# Altium PCB STC8H8K64U流水灯.PcbDoc (part 1 of 2) (continued)
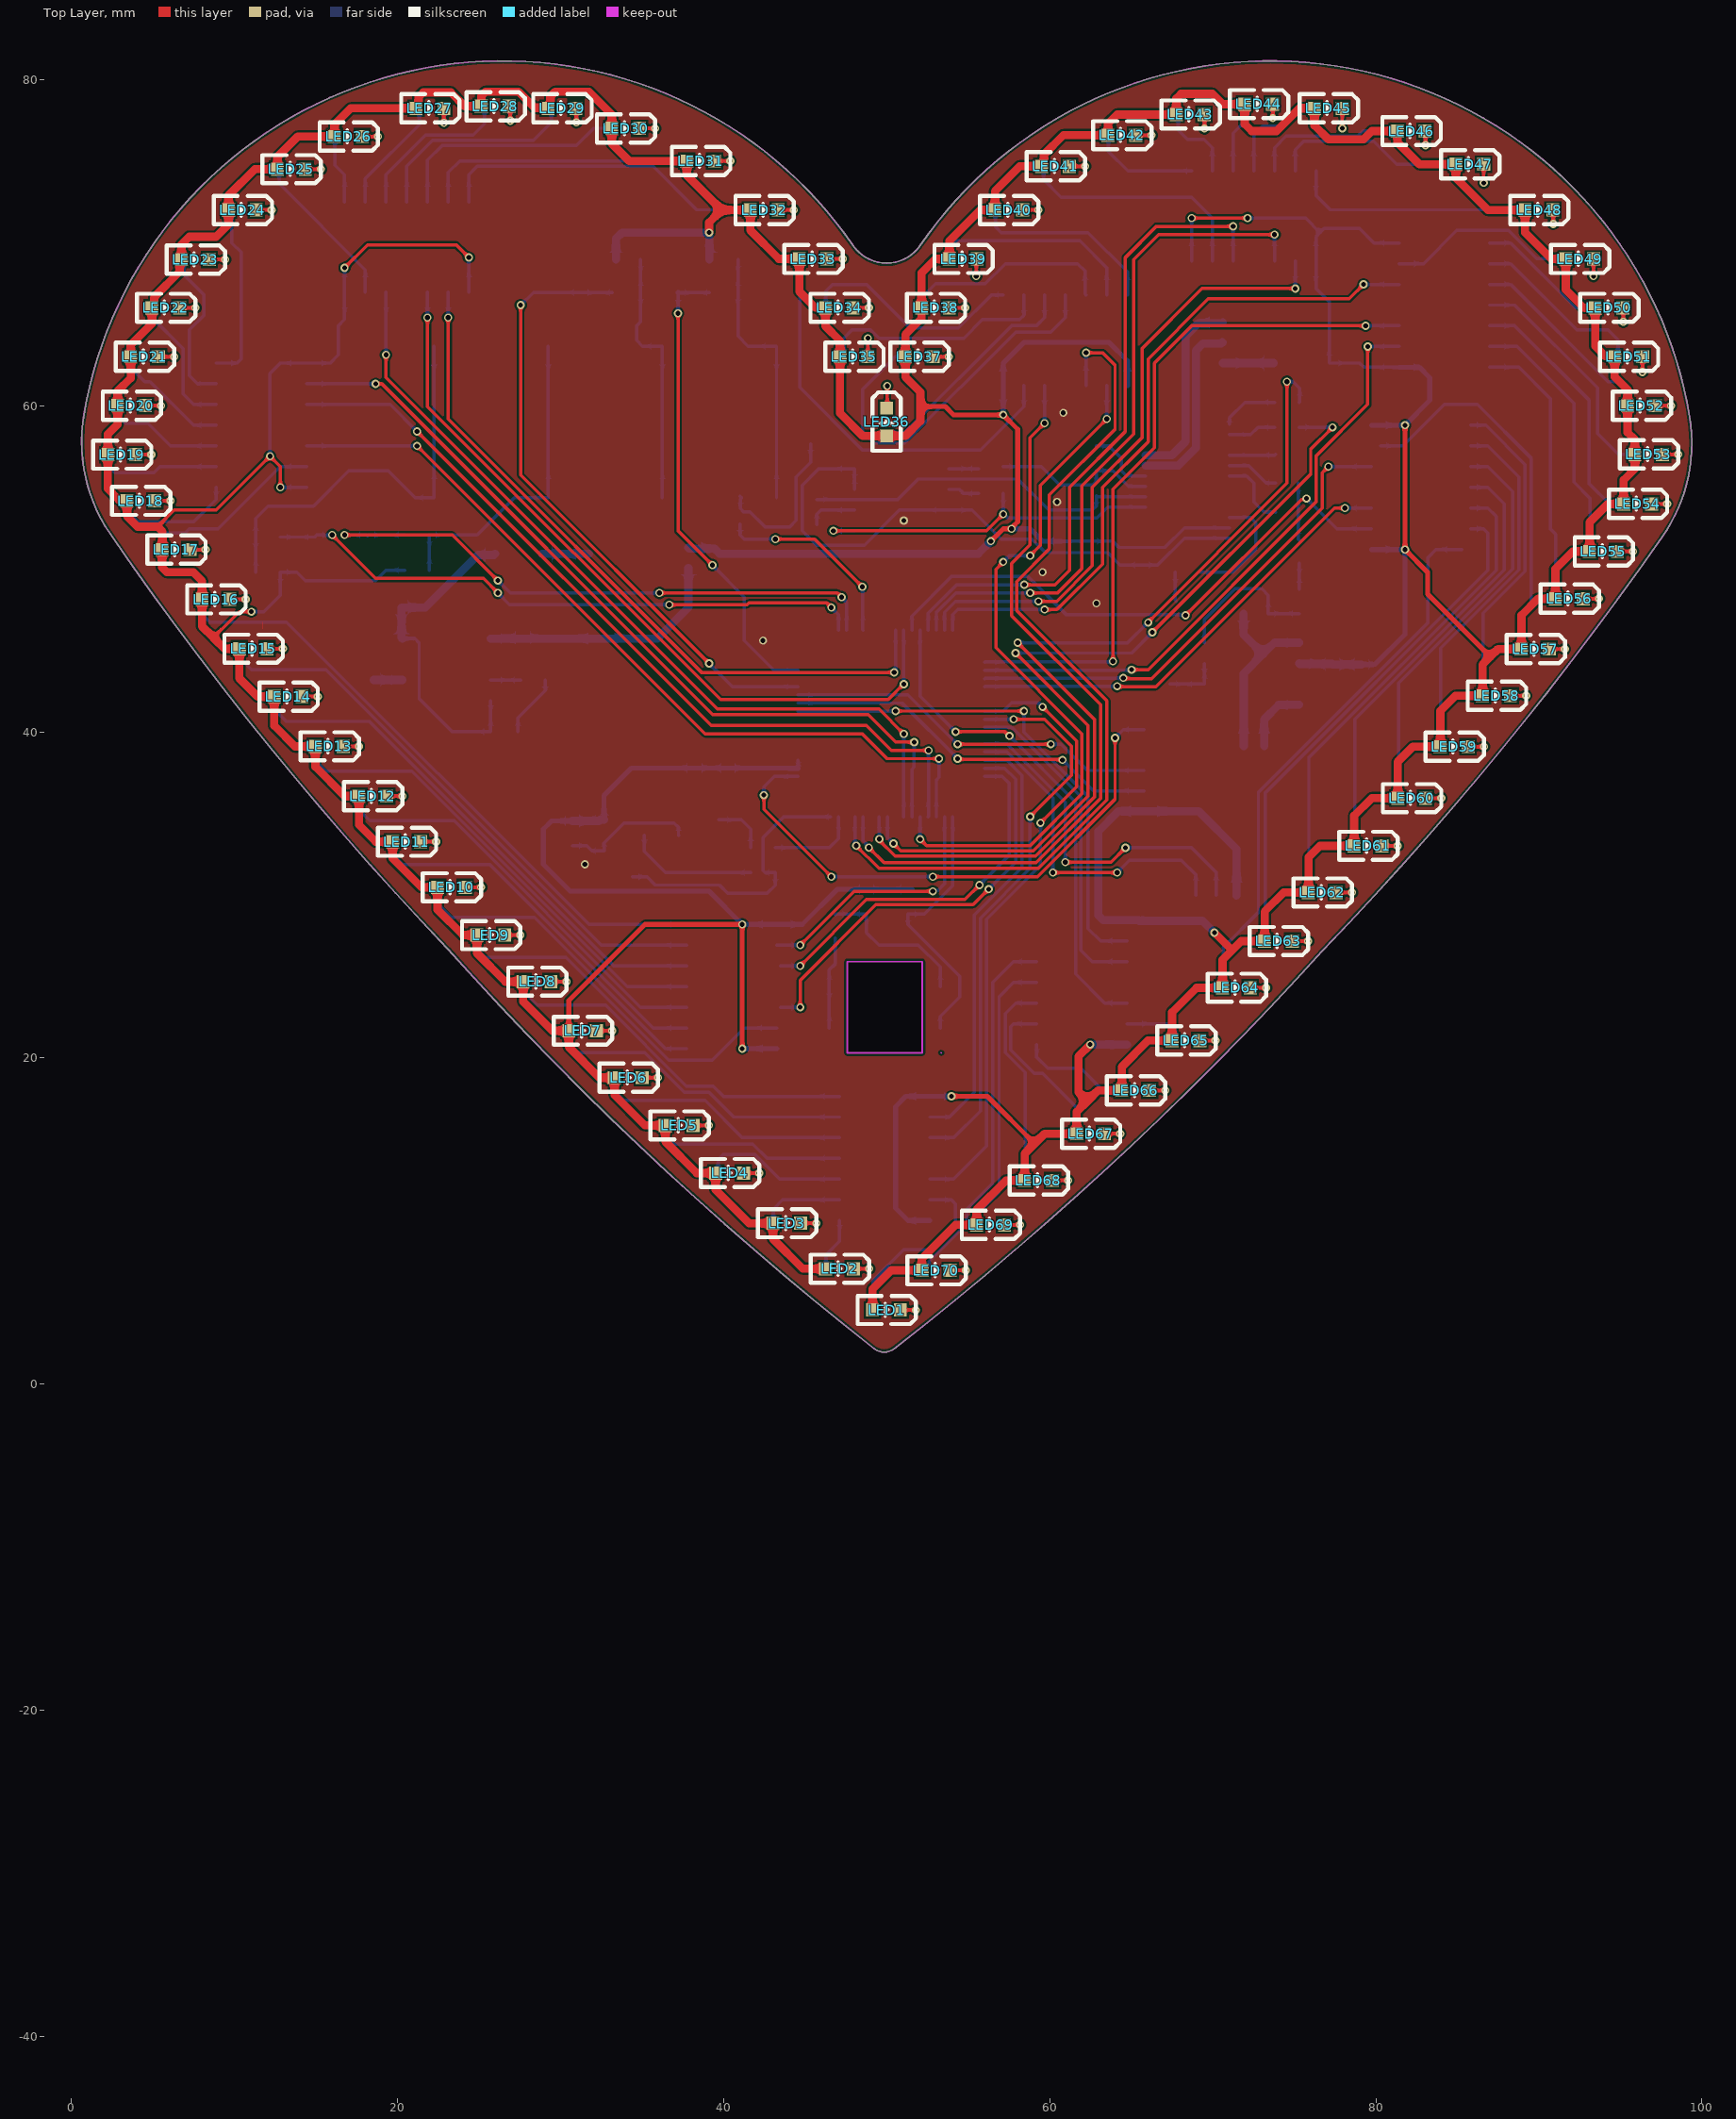
[diagram p0: Top Layer view]
## Components (designator, comment, footprint, x,y, rotation, side; value= is the part's Value field where it differs from the comment) (continued)
R90 "" R0603 34.163,66.929 r180 bottom value=4.7k
R91 "" R0603 21.209,49.911 r180 bottom value=2M
R92 "" R0603 21.209,52.07 r180 bottom value=4.7k
R93 "" R0603 12.065,49.784 r0 bottom value=2M
R94 "" R0603 12.065,51.943 r0 bottom value=4.7k
R95 "" R0603 74.549,60.198 r180 bottom value=1k
R96 "" R0603 74.549,58.674 r180 bottom value=1k
R97 "" R0603 72.644,47.244 r180 bottom value=39k
R100 "Res2" R0603 18.542,43.942 r270 bottom value=1.2k
R101 "Res2" R0603 28.321,43.18 r0 bottom value=1k
SW1 "1TS005F-2500-5001" KEY-SMD_4P-L6.0-W6.0 41,59 r180 bottom locked
SW2 "DSWB01LHGET" STM-2P 37.846,50.038 r90 bottom
SW3 "1TS005F-2500-5001" KEY-SMD_4P-L6.0-W6.0 27,59 r180 bottom locked
SW4 "1TS005F-2500-5001" KEY-SMD_4P-L6.0-W6.0 20,59 r180 bottom locked
SW5 "1TS005F-2500-5001" KEY-SMD_4P-L6.0-W6.0 34,59 r180 bottom locked
U1 "STC8H8K64U-45I- LQFP64" LQFP64S(12x12) 54.052,34.792 r90 bottom locked
U2 "SM74HC595D" SOP-16 49.886,14.478 r90 bottom
U3 "SM74HC595D" SOP-16 40.5,25.019 r90 bottom locked
U4 "SM74HC595D" SOP-16 11.659,59.436 r90 bottom locked
U5 "SM74HC595D" SOP-16 21.209,69.723 r0 bottom locked
U6 "SM74HC595D" SOP-16 61.595,64.008 r0 bottom locked
U7 "SM74HC595D" SOP-16 73.152,71.628 r0 bottom locked
U8 "SM74HC595D" SOP-16 84.201,65.532 r270 bottom locked
U9 "SM74HC595D" SOP-16 82.5,54.356 r270 bottom locked
U10 "SM74HC595D" SOP-16 61.976,25.273 r90 bottom
U11 "BY9301-24QS" QSOP-24 68.453,55.372 r270 bottom
U12 "ZD25Q16BTIGT" SOP-8 50.927,54.229 r270 bottom
U13 "MIX2002" SOP-8 72.39,43.561 r90 bottom
U15 "TC4056A" SOP-8-EP 23.02,43.815 r180 bottom

## Footprints (in the part's own frame and the unit in brackets; to place one, negate y for a bottom-side part, rotate by r counter-clockwise, add the part's x,y. Pads: shape width x height; smd on the part's side, far side on the other; paste and mask are expansions set on the pad)
C0603 [mm]
  rect 0.8x0.9 smd mask+0.051: 1(-0.7,0) 2(0.7,0)
  silkscreen extent -1.41,-0.71 1.39,0.72
F1206 [mm]
  rect 1.19x1.728 smd: 1(-1.445,0) 2(1.445,0)
  silkscreen extent -2.27,-1.09 2.27,1.09
KEY-SMD_4P-L6.0-W6.0 [mm]
  rect 1.4x2.3 smd: 1(-2.25,-4.643) 2(-2.25,4.643) 3(2.25,4.643) 4(2.25,-4.643)
  silkscreen extent -3.13,-2.65 3.13,2.6
LED0603 [mm]
  rect 0.8x0.8 smd paste+0 mask+0.051: 1(0.851,0) 2(-0.851,0)
  silkscreen extent -1.82,-0.86 1.77,0.86
LQFP64S(12x12) [mm] "TSQFP, 64-Leads, Body 10.00x10.00mm, Pitch 0.50mm, IPC Medium Density"
  oval 1.45x0.3 smd: 1(0,0) 2(0,-0.5) 3(0,-1) 4(0,-1.5) 5(0,-2) 6(0,-2.5) 7(0,-3) 8(0,-3.5) 9(0,-4) 10(0,-4.5) 11(0,-5) 12(0,-5.5) 13(0,-6) 14(0,-6.5) 15(0,-7) 16(0,-7.5) 33(11.45,-7.5) 34(11.45,-7) 35(11.45,-6.5) 36(11.45,-6) 37(11.45,-5.5) 38(11.45,-5) 39(11.45,-4.5) 41(11.45,-3.5) 42(11.45,-3) 43(11.45,-2.5) 44(11.45,-2) 45(11.45,-1.5) 46(11.45,-1) 47(11.45,-0.5) 48(11.45,0) ""(11.45,-4)
  oval 0.3x1.45 smd: 17(1.975,-9.475) 18(2.475,-9.475) 19(2.975,-9.475) 20(3.475,-9.475) 21(3.975,-9.475) 22(4.475,-9.475) 23(4.975,-9.475) 24(5.475,-9.475) 25(5.975,-9.475) 26(6.475,-9.475) 27(6.975,-9.475) 28(7.475,-9.475) 29(7.975,-9.475) 30(8.475,-9.475) 31(8.975,-9.475) 32(9.475,-9.475) 49(9.475,1.975) 50(8.975,1.975) 51(8.475,1.975) 52(7.975,1.975) 53(7.475,1.975) 54(6.975,1.975) 55(6.475,1.975) 56(5.975,1.975) 57(5.475,1.975) 58(4.975,1.975) 59(4.475,1.975) 60(3.975,1.975) 61(3.475,1.975) 62(2.975,1.975) 63(2.475,1.975) 64(1.975,1.975)
  silkscreen extent -0.12,-8.35 10.33,0.85, body extent 0.72,-8.75 10.73,1.25, height 1.6
QSOP-24 [mm]
  rect 0.25x1.64 smd: 1(-3.493,-2.57) 2(-2.858,-2.57) 3(-2.223,-2.57) 4(-1.588,-2.57) 5(-0.953,-2.57) 6(-0.318,-2.57) 7(0.317,-2.57) 8(0.952,-2.57) 9(1.587,-2.57) 10(2.222,-2.57) 11(2.857,-2.57) 12(3.492,-2.57) 13(3.492,2.57) 14(2.857,2.57) 15(2.222,2.57) 16(1.587,2.57) 17(0.952,2.57) 18(0.317,2.57) 19(-0.318,2.57) 20(-0.953,2.57) 21(-1.588,2.57) 22(-2.223,2.57) 23(-2.858,2.57) 24(-3.492,2.57)
  silkscreen extent -4.68,-2.42 4.43,1.45
R0603 [mm]
  rect 0.806x0.864 smd mask+0.051: 1(-0.753,0) 2(0.753,0)
  silkscreen extent -1.39,-0.66 1.39,0.66
SMD-4P_IRM-H638T/TR2 [mm] "品牌：EVERLIGHT(亿光)"
  rect 1.5x0.9 smd: 1(-3.4,1.27) 2(-3.4,-1.27) 3(3.4,-1.27) 4(3.4,1.27)
  silkscreen extent -3.5,-2.8 2.3,2.8
SOD-123 [mm]
  rect 1.2x0.95 smd: 1(-1.7,0) 2(1.7,0)
  silkscreen extent -1.81,-0.98 1.35,0.98
SOP-8 [mm]
  oval 0.7x1.7 smd: 1(-1.905,-2.9) 2(-0.635,-2.9) 3(0.635,-2.9) 4(1.905,-2.9) 5(1.905,2.9) 6(0.635,2.9) 7(-0.635,2.9) 8(-1.905,2.9)
  silkscreen extent -2.99,-2.71 2.5,2
SOP-8-EP [mm]
  rect 1.3x0.6 smd: 1(2.7,-1.905) 2(2.7,-0.635) 3(2.7,0.635) 4(2.7,1.905) 5(-2.7,1.905) 6(-2.7,0.635) 7(-2.7,-0.635) 8(-2.7,-1.905)
  rect 2.4x3.3 smd: 9(0,0)
  silkscreen extent -2.05,-3.2 2.67,2.55
SOP-16 [mm]
  oval 0.574x2.038 smd: 1(-4.445,-2.769) 2(-3.175,-2.769) 3(-1.905,-2.769) 4(-0.635,-2.769) 5(0.635,-2.769) 6(1.905,-2.769) 7(3.175,-2.769) 8(4.445,-2.769) 9(4.445,2.769) 10(3.175,2.769) 11(1.905,2.769) 12(0.635,2.769) 13(-0.635,2.769) 14(-1.905,2.769) 15(-3.175,2.769) 16(-4.445,2.769)
  silkscreen extent -5.33,-2.92 5.03,1.52
SOT-23 [mm]
  rect 1.07x0.6 smd paste+0 mask+0.051: 1(1.235,-0.95) 2(1.235,0.95) 3(-1.235,0)
  silkscreen extent -0.88,-1.54 0.88,1.54
STM-2P [mm]
  oval 0.8x2 smd mask+0.102: 1(0,0) 2(1.25,0)
  silkscreen extent -0.64,-1.14 2.03,1.14
STM-4P [mm]
  oval 0.8x2 smd mask+0.102: 1(0,0) 2(1.25,0) 3(2.5,0) 4(3.75,0)
  silkscreen extent -0.76,-1.14 4.57,1.14
STM-5P [mm]
  oval 0.8x2 smd mask+0.102: 1(0,0) 2(1.25,0) 3(2.5,0) 4(3.75,0) 5(5,0)
  silkscreen extent -0.76,-1.14 5.76,1.14

## Part data
C3 C4 C5 C9 C10 C11 C12 C13 C14 C15 C16 C17 C18 C19 C20 C21 C22: library part C?, JLCPCB Part Class="Extended Part", LCSC Part Name="100uF ±20% 6.3V", Manufacturer=muRata(村田), Manufacturer Part=GRM21BR60J107ME15L, Temperature Coefficient=X5R, Tolerance=±20%, Voltage Rated=6.3V, Add into BOM=yes, Convert to PCB=yes, Datasheet=https://atta.szlcsc.com/upload/public/pdf/source/20171113/C141660_15105613320671115822.pdf, Device=GRM21BR60J107ME15L, Supplier=LCSC, Supplier Footprint=0805, Supplier Part=C141660, Symbol=GRM21BR60J107ME15L
  C3 C15 C16 C17: Name=10uF
  C4 C5 C11 C20 C21 C22: Name=0.1uF
  C9 C10 C12 C13 C18: Name=1uF
  C14: Name=0.15uF
  C19: Name=4.7uF
C25 C26: "Capacitor", LatestRevisionDate=17-Jul-2002, LatestRevisionNote="Re-released for DXP Platform.", PackageDescription="Radial Cap, Thru-Hole; 2 Leads; 0.3 in Pin Spacing", PackageReference=RAD-0.3, Published=8-Jun-2000, Publisher="Altium Limited"
D2: library part "Diode BAT18", "品牌:CJ(江苏长电/长晶)", ComponentLink1Description="Manufacturer Link", ComponentLink1URL=http://www.infineon.com/, DatasheetVersion=Oct-1999, LatestRevisionDate=29-May-2009, LatestRevisionNote="IPC-7351 Footprint Added.", Note="Pin 2 is not connected and not drawn.", PackageDescription="3-Pin SOT-23 Package 0.95 mm Pitch, 2.5 mm Lead Span", PackageReference=SOT-23, PackageVersion=Sep-2001, Published=21-Mar-2003, Publisher="Altium Limited"
F1: library part JK-NSMD050-13.2V, "品牌： JK(金科)", Current Rating (Max)=100A, Hold Current=500mA, JLCPCB Part Class="Extended Part", LCSC Part Name="贴片保险丝 1206 0.5A 13.2V  自恢复保险丝", Manufacturer=JK(金科), Operating Voltage (Max)=13.2V, Trip Current=1A, Add into BOM=yes, Convert to PCB=yes, Datasheet=https://atta.szlcsc.com/upload/public/pdf/source/20190306/C369159_FECFCD0EBFCBA1D7F654376C2B91718D.pdf, Device=JK-NSMD050-13.2V, Manufacturer Part=JK-NSMD050-13.2V, Maximum Time to Trip=100ms, Name=JK-NSMD050-13.2V, Supplier=LCSC, Supplier Footprint=1206, Supplier Part=C369159, Symbol=JK-NSMD050-13.2V
IR1: "品牌:EVERLIGHT(亿光)", Center Frequency=-, JLCPCB Part Class="Extended Part", LCSC Part Name="45°@水平 45°@垂直", Manufacturer=EVERLIGHT(亿光), Operating Temperature=-25℃~+85℃, Supply Current=1.2mA, Supply Voltage=2.7V~5.5V, Add into BOM=yes, Convert to PCB=yes, Datasheet=https://atta.szlcsc.com/upload/public/pdf/source/20161219/1482143954829.pdf, Device=IRM-H638T/TR2, Half Angle=45°@垂直；45°@水平, Manufacturer Part=IRM-H638T/TR2, Name=IRM-H638T/TR2, Power Consumption=-, Supplier=LCSC, Supplier Footprint=SMD-4P,4x5mm, Supplier Part=C91447, Symbol=IRM-H638T/TR2, Transmission Distance=-
LED1 LED2 LED3 LED4 LED5 LED6 LED7 LED8 LED9 LED10 LED11 LED12 LED13 LED14 LED15 LED16 LED17 LED18 LED19 LED20 LED21 LED22 LED23 LED24 LED25 LED26 LED27 LED28 LED29 LED30 LED31 LED32 LED33 LED34 LED35 LED36 LED37 LED38 LED39 LED40 LED41 LED42 LED43 LED44 LED45 LED46 LED47 LED48 LED49 LED50 LED51 LED52 LED53 LED54 LED55 LED56 LED57 LED58 LED59 LED60 LED61 LED62 LED63 LED64 LED65 LED66 LED67 LED68 LED69 LED70 LED71 LED72 LED73: "LED?", Correlated Color Temperature - CCT(K)=-, Illumination Color=普绿/黄绿, JLCPCB Part Class="Extended Part", LCSC Part Name="普绿/黄绿 0603", Manufacturer=VISHAY(威世), Add into BOM=yes, Convert to PCB=yes, Datasheet=https://atta.szlcsc.com/upload/public/pdf/source/20180719/C241891_3C76D4DD30CDE57601F75DEAAAECA69D.pdf, Device=TLMG1100-GS08, Dominant Wavelength / Coordinate rank=570nm, Luminous Flux/Radiant Flux=-, Luminous Intensity (IF=20mA)=35mcd, Manufacturer Part=TLMG1100-GS08, Mounting Type=表面贴装, Name=TLMG1100-GS08, Supplier=LCSC, Supplier Footprint=0603, Supplier Part=C241891, Symbol=TLMG1100-GS08
P0 P3: library part "Header 2", "Header, 2-Pin", LatestRevisionDate=17-Jul-2002, LatestRevisionNote="Re-released for DXP Platform.", Publisher="Altium Limited"
P1: library part "Header 5", "生产不焊接", LatestRevisionDate=17-Jul-2002, LatestRevisionNote="Re-released for DXP Platform.", Publisher="Altium Limited"
P2: library part "Header 2", "SM对插线母头（大头）P=2.5mm", LatestRevisionDate=17-Jul-2002, LatestRevisionNote="Re-released for DXP Platform.", Publisher="Altium Limited"
P4: library part "Header 4", "生产不焊接", LatestRevisionDate=17-Jul-2002, LatestRevisionNote="Re-released for DXP Platform.", Publisher="Altium Limited"
P10: library part "Header 4", "2.54*4-Pin", LatestRevisionDate=17-Jul-2002, LatestRevisionNote="Re-released for DXP Platform.", Publisher="Altium Limited"
Q2: library part QNPN, "品牌:CJ(江苏长电/长晶)", LatestRevisionDate=29-May-2009, LatestRevisionNote="IPC-7351 Footprint Added.", PackageDescription="3-Pin SOT-23 Package 0.95 mm Pitch, 2.4 mm Lead Span", PackageReference=SOT-23B, PackageVersion=Aug-1999, Published=8-Jun-2000, Publisher="Altium Limited"
Q3: "品牌:CJ(江苏长电/长晶)", BOM_JLCPCB Part Class="Extended Part", BOM_Manufacturer=CJ, BOM_Manufacturer Part="CJ2301 S1", BOM_Supplier=LCSC, BOM_Supplier Part=C8547, spicePre=Q, spiceSymbolName="CJ2301 S1"
R1 R2 R3 R4 R5 R6 R7 R8 R9 R10 R11 R12 R13 R14 R15 R16 R17 R18 R19 R20 R21 R22 R23 R24 R25 R26 R27 R28 R29 R30 R31 R32 R33 R34 R35 R36 R37 R38 R39 R40 R41 R42 R43 R44 R45 R46 R47 R48 R49 R50 R51 R52 R53 R54 R55 R56 R57 R58 R59 R60 R61 R62 R63 R64 R65 R66 R67 R68 R69 R70 R73 R74 R78 R79 R80 R81 R82 R83 R84 R85 R86 R88 R89 R90 R91 R92 R93 R94 R95 R96 R97: library part ERJPB6B1001V, JLCPCB Part Class="Extended Part", LCSC Part Name="1KΩ(1001) ±0.1%", Manufacturer=PANASONIC(松下), Add into BOM=yes, Convert to PCB=yes, Datasheet=https://atta.szlcsc.com/upload/public/pdf/source/20190821/C413712_16C6B59B4DECA51D4907C6F5D5BAEAA8.pdf, Device=ERJPB6B1001V, Manufacturer Part=ERJPB6B1001V, Supplier=LCSC, Supplier Footprint=0805, Supplier Part=C413712, Symbol=ERJPB6B1001V
R72 R76 R77: library part Res1, LatestRevisionDate=17-Jul-2002, LatestRevisionNote="Re-released for DXP Platform.", PackageDescription="Axial Device, Thru-Hole; 2 Leads; 0.3 in Pin Spacing", PackageReference=AXIAL-0.3, Published=8-Jun-2000, Publisher="Altium Limited"
R75: library part Res1, "5%", LatestRevisionDate=17-Jul-2002, LatestRevisionNote="Re-released for DXP Platform.", PackageDescription="Axial Device, Thru-Hole; 2 Leads; 0.3 in Pin Spacing", PackageReference=AXIAL-0.3, Published=8-Jun-2000, Publisher="Altium Limited"
R87: library part ERJPB6B1001V, "R", JLCPCB Part Class="Extended Part", LCSC Part Name="1KΩ(1001) ±0.1%", Manufacturer=PANASONIC(松下), Add into BOM=yes, Convert to PCB=yes, Datasheet=https://atta.szlcsc.com/upload/public/pdf/source/20190821/C413712_16C6B59B4DECA51D4907C6F5D5BAEAA8.pdf, Device=ERJPB6B1001V, Manufacturer Part=ERJPB6B1001V, Supplier=LCSC, Supplier Footprint=0805, Supplier Part=C413712, Symbol=ERJPB6B1001V
R100 R101: "Resistor", LatestRevisionDate=17-Jul-2002, LatestRevisionNote="Re-released for DXP Platform.", PackageDescription="Axial Device, Thru-Hole; 2 Leads; 0.4 in Pin Spacing", PackageReference=AXIAL-0.4, Published=8-Jun-2000, Publisher="Altium Limited"
SW1 SW3 SW4 SW5: "品牌： HYP(鸿源精密)", Actuator/Cap Color=黑色, Contact Current=50mA, Insulation Resistance=100MΩ, JLCPCB Part Class="Extended Part", LCSC Part Name="6*6*5mm 立贴 轻触开关", Manufacturer=HYP(鸿源精密), Operating Force=250gf@±50gf, Operating Temperature=-40℃~+90℃, Power Rating=0.6W, Voltage Rating (DC)=12V, Actuator Style=圆形按钮, Add into BOM=yes, Circuit=单刀单掷, Convert to PCB=yes, Datasheet=https://atta.szlcsc.com/upload/public/pdf/source/20180720/C255812_0808C7D708FD1FB7246546D29134BBAD.pdf, Device=1TS005F-2500-5001, Manufacturer Part=1TS005F-2500-5001, Mechanical Life=7万次, Mounting Style=立贴, Name=1TS005F-2500-5001, Pin Style=鸥翼型, Strike Gundam=否, Supplier=LCSC, Supplier Footprint=SMD,6x6mm, Supplier Part=C255812, Switch Height=5mm, Switch Length=6mm, Switch Width=6mm, Symbol=1TS005F-2500-5001, With Lamp=无
SW2: "品牌：YE", Color=红色, JLCPCB Part Class="Extended Part", LCSC Part Name=红色宽体1位顶拨插件, Manufacturer=YE, Operating Life=-, Add into BOM=yes, Circuit=单刀单掷, Convert to PCB=yes, Datasheet=https://atta.szlcsc.com/upload/public/pdf/source/20170824/C126888_1503565979649906649.pdf, Device=DSWB01LHGET, Lead Pitch=-, Manufacturer Part=DSWB01LHGET, Name=DSWB01LHGET, Number of Positions=1, Supplier=LCSC, Supplier Footprint=插件, Supplier Part=C126888, Symbol=DSWB01LHGET, Type=平拨,凸起式
U1: library part STC8H8K64U-64PIN
U2 U3 U4 U5 U6 U7 U8 U9 U10: "品牌：明微", Designer=U?, Device=SM74HC595D, Symbol=SM74HC595D
U11: "品牌：深圳百为", JLCPCB Part Class="Extended Part", Manufacturer=LANKE(兰科), Manufacturer Part=ULN2803LVS, Add into BOM=yes, Convert to PCB=yes, Datasheet=https://atta.szlcsc.com/upload/public/pdf/source/20220112/421D3A4FF6053CAC4F10C676DC1191C4.pdf, Device=BY9301-24QS, LCSC Part Name=BY9301-24QS, Name=ULN2803LVS, Supplier=LCSC, Supplier Footprint=QSOP-24, Supplier Part=BY9301-24QS, Symbol=BY9301-24QS
U12: "品牌：Zetta(澜智)", JLCPCB Part Class="Extended Part", LCSC Part Name=ZD25Q16, Manufacturer=Zetta(澜智), Add into BOM=yes, Convert to PCB=yes, Datasheet=https://atta.szlcsc.com/upload/public/pdf/source/20210309/C2759951_DBF9957F1C804444204EE56D67712899.pdf, Device=ZD25Q16BTIGT, Manufacturer Part=ZD25Q16BTIGT, Name=ZD25Q16BTIGT, Supplier=LCSC, Supplier Footprint=SOP-8, Supplier Part=C2759951, Symbol=ZD25Q16BTIGT
U13: "品牌：MIXINNO(矽诺微)", JLCPCB Part Class="Extended Part", Manufacturer=MIXINNO(矽诺微), Output Power=-, Add into BOM=yes, Convert to PCB=yes, Datasheet=https://atta.szlcsc.com/upload/public/pdf/source/20190906/C427073_02123AC3CD3E94722F119849E398DDEC.pdf, Device=MIX2002, LCSC Part Name=MIX2002, Manufacturer Part=MIX2002, Name=MIX2002, Supplier=LCSC, Supplier Footprint=SOP-8, Supplier Part=C427073, Symbol=MIX2002, Type of Power Amplifier=-
U15: library part TP4056M, "品牌：FM(富满)", BOM_LCSC Assembly=Yes, BOM_Manufacturer=TOPPOWER, BOM_Manufacturer Part=TP4056M, BOM_Supplier=LCSC, BOM_Supplier Part=C21417, SMT Type=Extend, spicePre=U, spiceSymbolName=TP4056M

## Free pads (board coordinates)
  round 0.05 on Keep-Out: 1(10.77,-41.352) 1(10.77,-41.352) 1(13.074,-41.352) 1(13.074,-41.352)
  round 0.05 on Mech6: 1(10.77,-41.352) 1(10.77,-41.352) 1(13.074,-41.352) 1(13.074,-41.352)

## Via types
v1: diameter 0.5, hole 0.3, Top Layer to Bottom Layer, tented both sides, 183 vias

## Nets (pads, with @x,y where several pads share a name; then routed paths per layer and width w, separated by ;. In a path a pad name is that pad's centre, name@x,y a point inside that pad or via, vN(x,y) a via of type N, cw(c..) or ccw(c..) an arc to the next point about the centre after c; other vN are vias at no path point)
ADC_BAT1: R76.2 R77.1 U1.16 | length 17.7
  Bottom Layer w0.2: R77.1@34.408,31.115 35.306,31.115 35.814,30.607 39.751,30.607 40.259,30.099 42.672,30.099 43.171,30.598 R76.2@43.171,31.369 42.545,31.369 42.418,31.496 42.418,33.528 43.682,34.792 U1.16@46.552,34.792
ADC_BAT1_EN: R72.1 U1.15 | length 5.4
  Bottom Layer w0.2: R72.1@43.171,32.893 46.482,32.893 47.052,33.463 U1.15@47.052,34.792
DACL: C15.1 U11.5 | length 3.3
  Bottom Layer w0.2: U11.5@71.023,56.325 72.2,56.325 73.266,55.258 73.836,55.258 C15.1@73.849,55.245
DACR: C16.1 U11.6 | length 4.4
  Bottom Layer w0.2: U11.6@71.023,55.689 72.072,55.689 72.517,55.245 72.517,54.102 73.139,53.48 73.836,53.48 C16.1@73.849,53.467
DM: P4.3 U11.20 | length 11.4
  Bottom Layer w0.5: U11.20@65.883,56.325 67.882,56.325 68.961,57.404 68.961,63.373 69.392,63.804 70.515,63.804 70.592,63.881 P4.3@70.612,63.861
DP: P4.2 U11.21 | length 11.9
  Bottom Layer w0.5: U11.21@65.883,56.96 67.486,56.96 68.326,57.8 68.326,64.262 69.118,65.054 70.555,65.054 P4.2@70.612,65.111
GND: C3.1 C4.1 C5.1 C9.2 C10.2 C11.2 C12.2 C13.1 C17.1 C18.1 C20.1 C21.1 C22.1 C25.2 C26.2 LED72.2 P0.2 P1.4 P3.1 P4.1 P10.4 Q2.2 R77.2 R78.1 R83.2 R84.2 R85.2 R100.1 SW1.3 SW1.4 SW3.3 SW3.4 SW4.3 SW4.4 SW5.3 SW5.4 U1.21 U2.8 U2.13 U3.8 U3.13 U4.8 U4.13 U5.8 U5.13 U6.8 U6.13 U7.8 U7.13 U8.8 U8.13 U9.8 U9.13 U10.8 U10.13 U11.3 U11.9 U12.4 U13.1 U13.7 U15.1 U15.3 U15.6
  other v1: 31.496,31.877 42.418,45.593 62.865,47.879 59.563,49.784 51.054,52.959 60.452,54.102 60.833,59.563
LDO_3.3V: C12.1 U11.12 U12.3 U12.7 U12.8 | length 37.2
  Bottom Layer w0.2: U12.7@48.027,54.864 U12.8@48.027,56.134 45.847,56.134 44.831,55.118 44.831,52.324 45.72,51.435 48.633,51.435 50.792,53.594 U12.3@53.827,53.594 55.245,53.594 57.023,51.816 58.913,51.816 59.74,50.989 63.565,50.989 64.324,50.23 65.405,50.23 66.613,50.23 68.263,51.88 U11.12@71.023,51.88
LED1: R1.1 U2.15 | length 11.2
  Bottom Layer w0.2: R1.1@49.158,4.561 49.149,4.57 49.149,6.35 51.054,8.255 52.705,8.255 54.229,9.779 54.229,11.049 53.975,11.303 U2.15@52.655,11.303
LED2: R2.1 U2.1 | length 3.5
  Bottom Layer w0.2: R2.1@46.282,7.086 46.282,7.942 46.296,7.942 47.117,8.763 U2.1@47.117,10.033 ; R2.1@46.364,6.853 R2.1@46.364,7.086
LED3: R3.1 U2.2 | length 5.2
  Bottom Layer w0.2: R3.1@43.053,9.88 43.053,10.736 43.62,11.303 U2.2@47.117,11.303
LED4: R4.1 U2.3 | length 9
  Bottom Layer w0.2: R4.1@39.668,12.946 39.668,13.76 40.005,14.097 41.91,14.097 43.434,12.573 U2.3@47.117,12.573
LED5: R5.1 U2.4 | length 11.9
  Bottom Layer w0.2: R5.1@36.458,15.875 36.458,15.231 36.957,14.732 41.783,14.732 42.672,13.843 U2.4@47.117,13.843
LED6: R6.1 U2.5 | length 15.8
  Bottom Layer w0.2: R6.1@33.333,18.804 33.333,17.975 33.909,17.399 38.862,17.399 41.148,15.113 U2.5@47.117,15.113
LED7: R7.1 U2.6 | length 19.5
  Bottom Layer w0.2: R7.1@30.389,21.701 30.389,20.792 30.861,20.32 35.179,20.32 37.592,17.907 39.116,17.907 40.64,16.383 U2.6@47.117,16.383
LED8: R8.1 U2.7 | length 22.6
  Bottom Layer w0.2: R8.1@27.858,24.683 27.858,23.958 28.575,23.241 32.766,23.241 37.719,18.288 39.37,18.288 40.005,17.653 U2.7@47.117,17.653
LED9: R9.1 U3.15 | length 22.9
  Bottom Layer w0.2: R9.1@24.901,27.548 24.901,26.661 25.4,26.162 30.353,26.162 36.637,19.878 39.309,19.878 41.275,21.844 U3.15@43.269,21.844
LED10: R10.1 U3.1 | length 19.9
  Bottom Layer w0.2: R10.1@22.488,30.475 22.488,29.455 23.328,28.615 28.408,28.615 36.449,20.574 U3.1@37.731,20.574
LED11: R11.1 U3.2 | length 23.2
  Bottom Layer w0.2: R11.1@19.733,33.274 19.733,32.464 20.32,31.877 25.654,31.877 35.687,21.844 U3.2@37.731,21.844
LED12: R12.1 U3.3 | length 25.9
  Bottom Layer w0.2: R12.1@17.662,36.068 17.662,35.203 18.32,34.544 23.479,34.544 34.909,23.114 U3.3@37.731,23.114
LED13: R13.1 U3.4 | length 29.4
  Bottom Layer w0.2: R13.1@14.995,39.116 14.973,39.095 14.973,38.244 15.626,37.592 20.883,37.592 34.091,24.384 U3.4@37.731,24.384
LED14: R14.1 U3.5 | length 32.6
  Bottom Layer w0.2: R14.1@12.455,42.164 12.455,41.393 13.208,40.64 18.288,40.64 33.274,25.654 U3.5@37.731,25.654
LED15: R15.1 U3.6 | length 35.2
  Bottom Layer w0.2: R15.1@10.423,45.104 10.423,44.441 11.049,43.815 15.621,43.815 32.512,26.924 U3.6@37.731,26.924
LED16: R16.1 U3.7 | length 38.5
  Bottom Layer w0.2: R16.1@8.049,48.133 8.049,47.196 8.509,46.736 13.208,46.736 31.75,28.194 U3.7@37.731,28.194
LED17: R17.1 U4.15 | length 11.5
  Bottom Layer w0.2: R17.1@5.597,51.181 5.597,52.071 5.714,52.188 6.976,52.188 7.239,52.451 9.017,52.451 12.827,56.261 U4.15@14.428,56.261
LED18: R18.1 U4.1 | length 7.7
  Bottom Layer w0.2: R18.1@3.438,54.173 3.438,53.534 4.102,52.87 7.509,52.87 8.89,54.252 U4.1@8.89,54.991
LED19: R19.1 U4.2 | length 7.7
  Bottom Layer w0.2: R19.1@2.27,57.013 2.27,56.277 2.667,55.88 5.08,55.88 5.461,56.261 U4.2@8.89,56.261
LED20: R20.1 U4.3 | length 7.4
  Bottom Layer w0.2: R20.1@2.87,60.013 2.87,59.36 3.302,58.928 4.699,58.928 6.096,57.531 U4.3@8.89,57.531
LED21: R21.1 U4.4 | length 7.3
  Bottom Layer w0.2: R21.1@3.758,63.008 3.758,62.22 4.51,61.468 4.826,61.468 7.493,58.801 U4.4@8.89,58.801
LED22: R22.1 U4.5 | length 8.4
  Bottom Layer w0.2: R22.1@4.97,66.008 4.97,65.388 6.858,63.5 6.858,60.706 7.493,60.071 U4.5@8.89,60.071
LED23: R23.1 U4.6 | length 9.9
  Bottom Layer w0.2: R23.1@6.913,69 6.913,68.017 8.128,66.802 8.128,65.532 7.239,64.643 7.239,61.849 7.737,61.351 8.88,61.351 U4.6@8.89,61.341
LED24: R24.1 U4.7 | length 11
  Bottom Layer w0.2: U4.7@8.89,62.611 10.16,62.611 10.414,62.865 10.414,69.409 9.846,69.977 R24.1@9.846,72.008
LED25: R25.1 U5.15 | length 9.7
  Bottom Layer w0.2: R25.1@12.758,74.508 12.758,73.602 18.034,68.326 U5.15@18.034,66.954
LED26: R26.1 U5.1 | length 4.3
  Bottom Layer w0.2: R26.1@16.17,76.508 16.17,74.746 16.764,74.152 U5.1@16.764,72.492
LED27: R27.1 U5.2 | length 7.1
  Bottom Layer w0.2: U5.2@18.034,72.492 18.034,73.914 21.346,77.226 R27.1@21.346,78.24
LED28: R28.1 U5.3 | length 10.1
  Bottom Layer w0.2: U5.3@19.304,72.492 19.304,74.168 21.717,76.581 24.638,76.581 25.346,77.289 R28.1@25.346,78.367
LED29: R29.1 U5.4 | length 13
  Bottom Layer w0.2: U5.4@20.574,72.492 20.574,74.676 22.159,76.261 25.248,76.261 25.253,76.266 28.342,76.266 29.445,77.368 R29.1@29.445,78.24
LED30: R30.1 U5.5 | length 14.7
  Bottom Layer w0.2: U5.5@21.844,72.492 21.844,75.057 22.728,75.941 26.985,75.941 26.99,75.946 30.988,75.946 32.05,77.008 R30.1@33.17,77.008
LED31: R31.1 U5.6 | length 16.8
  Bottom Layer w0.2: U5.6@23.114,72.492 23.114,74.295 23.827,75.008 R31.1@37.77,75.008
LED32: R32.1 U5.7 | length 20.3
  Bottom Layer w0.2: U5.7@24.384,72.492 24.384,74.168 24.892,74.676 35.687,74.676 38.355,72.008 R32.1@41.67,72.008
LED33: R33.1 U6.15 | length 25.6
  Bottom Layer w0.2: R33.1@44.67,69.013 44.67,61.121 48.514,57.277 55.753,57.277 58.42,59.944 U6.15@58.42,61.239
LED34: R34.1 U6.1 | length 14
  Bottom Layer w0.2: R34.1@46.27,66.013 46.27,67.014 46.694,67.437 48.768,67.437 51.435,64.77 54.403,64.77 56.411,66.777 U6.1@57.15,66.777
LED35: R35.1 U6.2 | length 14.4
  Bottom Layer w0.2: R35.1@47.346,63.008 47.371,63.033 47.371,64.135 47.879,64.643 49.022,64.643 49.53,64.135 54.737,64.135 55.88,65.278 58.166,65.278 58.42,65.532 U6.2@58.42,66.777
LED36: R36.1 U6.3 | length 14
  Bottom Layer w0.2: R36.1@49.992,58.346 51.107,58.346 57.658,64.897 59.182,64.897 59.69,65.405 U6.3@59.69,66.777
LED37: R37.1 U6.4 | length 23.4
  Bottom Layer w0.2: R37.1@51.17,63.008 50.539,63.008 48.514,60.983 48.514,58.42 49.22,57.714 51.11,57.714 57.912,64.516 60.071,64.516 60.96,65.405 U6.4@60.96,66.777
LED38: R38.1 U6.5 | length 13.2
  Bottom Layer w0.2: R38.1@52.17,66.008 52.17,66.725 52.288,66.842 52.364,66.842 52.997,67.475 56.045,67.475 57.277,68.707 61.722,68.707 62.169,68.26 62.169,66.838 U6.5@62.23,66.777
LED39: R39.1 U6.6 | length 12.8
  Bottom Layer w0.2: R39.1@53.958,69.008 53.958,69.833 54.229,70.104 61.849,70.104 63.5,68.453 U6.6@63.5,66.777
LED40: R40.1 U6.7 | length 11.7
  Bottom Layer w0.2: R40.1@56.67,72.013 56.67,70.965 57.023,70.612 62.357,70.612 64.77,68.199 U6.7@64.77,66.777
LED41: R41.1 U7.15 | length 14.8
  Bottom Layer w0.2: R41.1@59.621,74.684 59.621,73.856 60.706,72.771 68.707,72.771 69.977,71.501 U7.15@69.977,68.859
LED42: R42.1 U7.1 | length 6.6
  Bottom Layer w0.2: R42.1@63.598,76.589 63.598,75.594 64.795,74.397 U7.1@68.707,74.397
LED43: R43.1 U7.2 | length 4.9
  Bottom Layer w0.2: R43.1@67.876,77.859 67.876,76.904 68.453,76.327 69.469,76.327 69.977,75.819 U7.2@69.977,74.397
LED44: R44.1 U7.3 | length 4.5
  Bottom Layer w0.2: U7.3@71.247,74.397 71.247,76.708 72.155,77.616 R44.1@72.155,78.494
LED45: R45.1 U7.4 | length 6.6
  Bottom Layer w0.2: U7.4@72.517,74.397 72.517,76.581 73.089,77.152 74.231,77.152 75.319,78.24 R45.1@76.259,78.24
LED46: R46.1 U7.5 | length 9.6
  Bottom Layer w0.2: U7.5@73.787,74.397 73.787,75.819 74.498,76.53 78.892,76.53 79.205,76.843 R46.1@81.515,76.843
LED47: R47.1 U7.6 | length 12.1
  Bottom Layer w0.2: U7.6@75.057,74.397 75.057,75.692 75.575,76.21 79.873,76.21 81.28,74.803 R47.1@85.107,74.803
LED48: R48.1 U7.7 | length 14.8
  Bottom Layer w0.2: U7.7@76.327,74.397 76.327,72.898 77.217,72.008 R48.1@89.258,72.008
LED49: R49.1 U8.15 | length 12
  Bottom Layer w0.2: U8.15@81.432,68.707 82.931,68.707 84.963,70.739 88.138,70.739 89.869,69.008 R49.1@91.846,69.008
LED50: R50.1 U8.1 | length 8.2
  Bottom Layer w0.2: U8.1@86.97,69.977 88.265,69.977 92.234,66.008 R50.1@93.558,66.008
LED51: R51.1 U8.2 | length 10.8
  Bottom Layer w0.2: U8.2@86.97,68.707 88.265,68.707 92.329,64.643 94.234,64.643 94.846,64.031 R51.1@94.846,63.008
LED52: R52.1 U8.3 | length 12.1
  Bottom Layer w0.2: U8.3@86.97,67.437 88.265,67.437 94.234,61.468 94.903,61.468 95.454,60.917 R52.1@95.454,60.008
LED53: R53.1 U8.4 | length 14.4
  Bottom Layer w0.2: U8.4@86.97,66.167 88.519,66.167 93.599,61.087 93.599,58.293 94.869,57.023 R53.1@95.902,57.023
LED54: R54.1 U8.5 | length 15.8
  Bottom Layer w0.2: U8.5@86.97,64.897 88.519,64.897 93.091,60.325 93.091,55.195 94.312,53.974 R54.1@95.25,53.974
LED55: R55.1 U8.6 | length 16.1
  Bottom Layer w0.2: U8.6@86.97,63.627 88.646,63.627 92.144,60.129 92.144,55.303 93.131,54.316 R55.1@93.131,51.07
LED56: R56.1 U8.7 | length 16.9
  Bottom Layer w0.2: U8.7@86.97,62.357 88.773,62.357 90.695,60.435 90.695,52.451 91.032,52.114 R56.1@91.032,48.172
LED57: R57.1 U9.15 | length 23.6
  Bottom Layer w0.2: U9.15@80.289,57.531 81.661,57.531 84.201,60.071 86.233,60.071 89.535,56.769 89.535,47.752 89.036,47.253 R57.1@89.036,45.085
LED58: R58.1 U9.1 | length 19.6
  Bottom Layer w0.2: U9.1@85.827,58.801 86.741,58.801 89.154,56.388 89.154,49.856 86.571,47.272 R58.1@86.571,42.222
LED59: R59.1 U9.2 | length 22.2
  Bottom Layer w0.2: R59.1@83.981,39.097 83.981,45.135 88.773,49.927 88.773,55.626 86.868,57.531 U9.2@85.827,57.531
LED60: R60.1 U9.3 | length 24.9
  Bottom Layer w0.2: R60.1@81.397,35.932 81.397,43.003 88.392,49.999 88.392,54.737 86.868,56.261 U9.3@85.827,56.261
LED61: R61.1 U9.4 | length 27.2
  Bottom Layer w0.2: R61.1@78.72,33 78.72,40.779 87.884,49.943 87.884,53.975 86.868,54.991 U9.4@85.827,54.991
LED62: R62.1 U9.5 | length 29.6
  Bottom Layer w0.2: R62.1@75.891,30.158 75.891,38.426 87.376,49.911 87.376,53.213 86.868,53.721 U9.5@85.827,53.721
LED63: R63.1 U9.6 | length 31.8
  Bottom Layer w0.2: R63.1@73.23,27.17 73.23,36.273 86.868,49.911 86.868,52.197 86.614,52.451 U9.6@85.827,52.451
LED64: R64.1 U9.7 | length 33.9
  Bottom Layer w0.2: R64.1@70.651,24.307 70.651,26.78 72.799,28.928 72.799,36.294 83.185,46.681 83.185,50.673 83.693,51.181 U9.7@85.269,51.181
LED65: R65.1 U10.15 | length 3.8
  Bottom Layer w0.2: U10.15@64.745,22.098 67.343,22.098 67.7,21.741 R65.1@67.7,21.082
LED66: R66.1 U10.1 | length 7
  Bottom Layer w0.2: U10.1@59.207,20.828 59.207,20.041 59.88,19.367 61.912,19.367 63.257,18.023 R66.1@64.536,18.023
LED67: R67.1 U10.2 | length 10.2
  Bottom Layer w0.2: U10.2@59.207,22.098 57.785,22.098 57.597,21.91 57.597,20.508 59.055,19.05 59.563,19.05 61.74,16.873 R67.1@61.74,15.367
LED68: R68.1 U10.3 | length 12.9
  Bottom Layer w0.2: R68.1@58.492,12.505 58.492,19.105 57.277,20.32 57.277,22.733 57.912,23.368 U10.3@59.207,23.368
LED69: R69.1 U10.4 | length 17.2
  Bottom Layer w0.2: R69.1@55.547,9.779 55.547,10.462 56.896,11.811 56.896,23.749 57.785,24.638 U10.4@59.207,24.638
LED70: R70.1 U10.5 | length 22.6
  Bottom Layer w0.2: R70.1@52.306,6.993 52.609,7.296 52.609,7.524 54.924,9.839 54.924,10.728 56.515,12.319 56.515,24.638 57.785,25.908 U10.5@59.207,25.908
NetC9_1: C9.1 U11.4 | length 2.9
  Bottom Layer w0.2: U11.4@71.023,56.959 73.785,56.959 C9.1@73.849,57.023
NetC13_2: C13.2 U13.2 U13.3 | length 3.4
  Bottom Layer w0.2: C13.2@67.375,42.926 U13.2@69.49,42.926 U13.3@69.49,44.196
NetC14_1: C14.1 C15.2 C16.2 | length 3.5
  Bottom Layer w0.2: C15.2@75.249,55.245 C16.2@75.249,53.467 75.249,51.816 C14.1@75.311,51.754
NetC14_2: C14.2 R86.1 | length 1.6
  Bottom Layer w0.2: R86.1@75.311,48.759 C14.2@75.311,50.354
NetC19_1: C19.1 IR1.3 IR1.4 | length 5.7
  Bottom Layer w0.2: IR1.3@46.486,21.844 IR1.4@46.486,24.384 46.486,25.404 46.863,25.781 C19.1@46.863,27.367
NetC19_2: C19.2 IR1.1 R87.1 | length 9.7
  Bottom Layer w0.2: C19.2@46.863,28.767 46.925,28.829 R87.1@48.768,28.829 48.768,27.686 49.53,26.924 51.943,26.924 53.286,25.581 IR1.1@53.286,24.384
NetLED1_2: LED1.2 R1.2 | length 2.3
  Top Layer w0.2: LED1.2@50.838,4.553 v1(51.803,4.553) v1@51.803,4.472
  Bottom Layer w0.2: R1.2@50.664,4.561 50.672,4.553 v1(51.803,4.553) v1@51.803,4.472
NetLED2_2: LED2.2 R2.2 | length 2.1
  Top Layer w0.2: LED2.2@47.962,7.078 v1(48.928,7.078)
  Bottom Layer w0.2: R2.2@47.789,7.086 47.797,7.078 v1(48.928,7.078)
NetLED3_2: LED3.2 R3.2 | length 2.1
  Top Layer w0.2: LED3.2@44.733,9.872 v1(45.699,9.872)
  Bottom Layer w0.2: R3.2@44.56,9.88 44.568,9.872 v1(45.699,9.872)
NetLED4_2: LED4.2 R4.2 | length 2
  Top Layer w0.2: LED4.2@41.225,12.946 v1(42.191,12.946)
  Bottom Layer w0.2: R4.2@41.175,12.946 v1(42.191,12.946)
NetLED5_2: LED5.2 R5.2 | length 2.1
  Top Layer w0.2: LED5.2@38.138,15.867 v1(39.103,15.867)
  Bottom Layer w0.2: R5.2@37.964,15.875 37.972,15.867 v1(39.103,15.867)
NetLED6_2: LED6.2 R6.2 | length 2.1
  Top Layer w0.2: LED6.2@35.014,18.796 v1(35.979,18.796)
  Bottom Layer w0.2: R6.2@34.84,18.804 34.848,18.796 v1(35.979,18.796)
NetLED7_2: LED7.2 R7.2 | length 2.3
  Top Layer w0.2: LED7.2@32.213,21.674 v1(33.179,21.674)
  Bottom Layer w0.2: R7.2@31.895,21.701 31.922,21.674 v1(33.179,21.674)
NetLED8_2: LED8.2 R8.2 | length 2
  Top Layer w0.2: LED8.2@29.415,24.683 v1(30.38,24.683)
  Bottom Layer w0.2: R8.2@29.364,24.683 v1(30.38,24.683)
NetLED9_2: LED9.2 R9.2 | length 2.1
  Top Layer w0.2: LED9.2@26.581,27.54 v1(27.546,27.54)
  Bottom Layer w0.2: R9.2@26.407,27.548 26.415,27.54 v1(27.546,27.54)
NetLED10_2: LED10.2 R10.2 | length 2.1
  Top Layer w0.2: LED10.2@24.168,30.467 v1(25.133,30.467)
  Bottom Layer w0.2: R10.2@23.994,30.475 24.002,30.467 v1(25.133,30.467)
NetLED11_2: LED11.2 R11.2 | length 2.1
  Top Layer w0.2: LED11.2@21.413,33.266 v1(22.379,33.266)
  Bottom Layer w0.2: R11.2@21.24,33.274 21.248,33.266 v1(22.379,33.266)
NetLED12_2: LED12.2 R12.2 | length 2.1
  Top Layer w0.2: LED12.2@19.342,36.06 v1(20.307,36.06)
  Bottom Layer w0.2: R12.2@19.168,36.068 19.176,36.06 v1(20.307,36.06)
NetLED13_2: LED13.2 R13.2 | length 2.1
  Top Layer w0.2: LED13.2@16.675,39.108 v1(17.64,39.108)
  Bottom Layer w0.2: R13.2@16.501,39.116 16.509,39.108 v1(17.64,39.108)
NetLED14_2: LED14.2 R14.2 | length 2.1
  Top Layer w0.2: LED14.2@14.156,42.164 v1(15.122,42.164)
  Bottom Layer w0.2: R14.2@13.961,42.164 v1(15.122,42.164)
NetLED15_2: LED15.2 R15.2 | length 2
  Top Layer w0.2: LED15.2@12.015,45.096 v1(12.981,45.096)
  Bottom Layer w0.2: R15.2@11.929,45.104 11.937,45.096 v1(12.981,45.096)
NetLED16_2: LED16.2 R16.2 | length 2.1
  Top Layer w0.2: LED16.2@9.729,48.125 v1(10.695,48.125)
  Bottom Layer w0.2: R16.2@9.556,48.133 9.564,48.125 v1(10.695,48.125)
NetLED17_2: LED17.2 R17.2 | length 2.1
  Top Layer w0.2: LED17.2@7.277,51.173 v1(8.242,51.173)
  Bottom Layer w0.2: R17.2@7.103,51.181 7.111,51.173 v1(8.242,51.173) ; v1@8.17,51.189 v1@8.178,51.181
NetLED18_2: LED18.2 R18.2 | length 2.3
  Top Layer w0.2: LED18.2@5.118,54.165 v1(6.083,54.165)
  Bottom Layer w0.2: R18.2@4.944,54.173 4.952,54.165 v1(6.083,54.165) v1@6.026,54.223 ; 5.503,54.237 5.568,54.237 5.582,54.223
NetLED19_2: LED19.2 R19.2 | length 2.1
  Top Layer w0.2: LED19.2@3.951,57 v1(4.916,57)
  Bottom Layer w0.2: R19.2@3.777,57.013 3.79,57 v1(4.916,57)
NetLED20_2: LED20.2 R20.2 | length 2.1
  Top Layer w0.2: LED20.2@4.551,60 v1(5.516,60)
  Bottom Layer w0.2: R20.2@4.377,60.013 4.39,60 v1(5.516,60)
NetLED21_2: LED21.2 R21.2 | length 2
  Top Layer w0.2: LED21.2@5.351,63 v1(6.316,63)
  Bottom Layer w0.2: R21.2@5.265,63.008 5.273,63 v1(6.316,63)
NetLED22_2: LED22.2 R22.2 | length 2.1
  Top Layer w0.2: LED22.2@6.651,66 v1(7.616,66)
  Bottom Layer w0.2: R22.2@6.477,66.008 6.485,66 v1(7.616,66)